# Allegro board GPS_INTERFACE_BOARDv34_test.brd (continued)
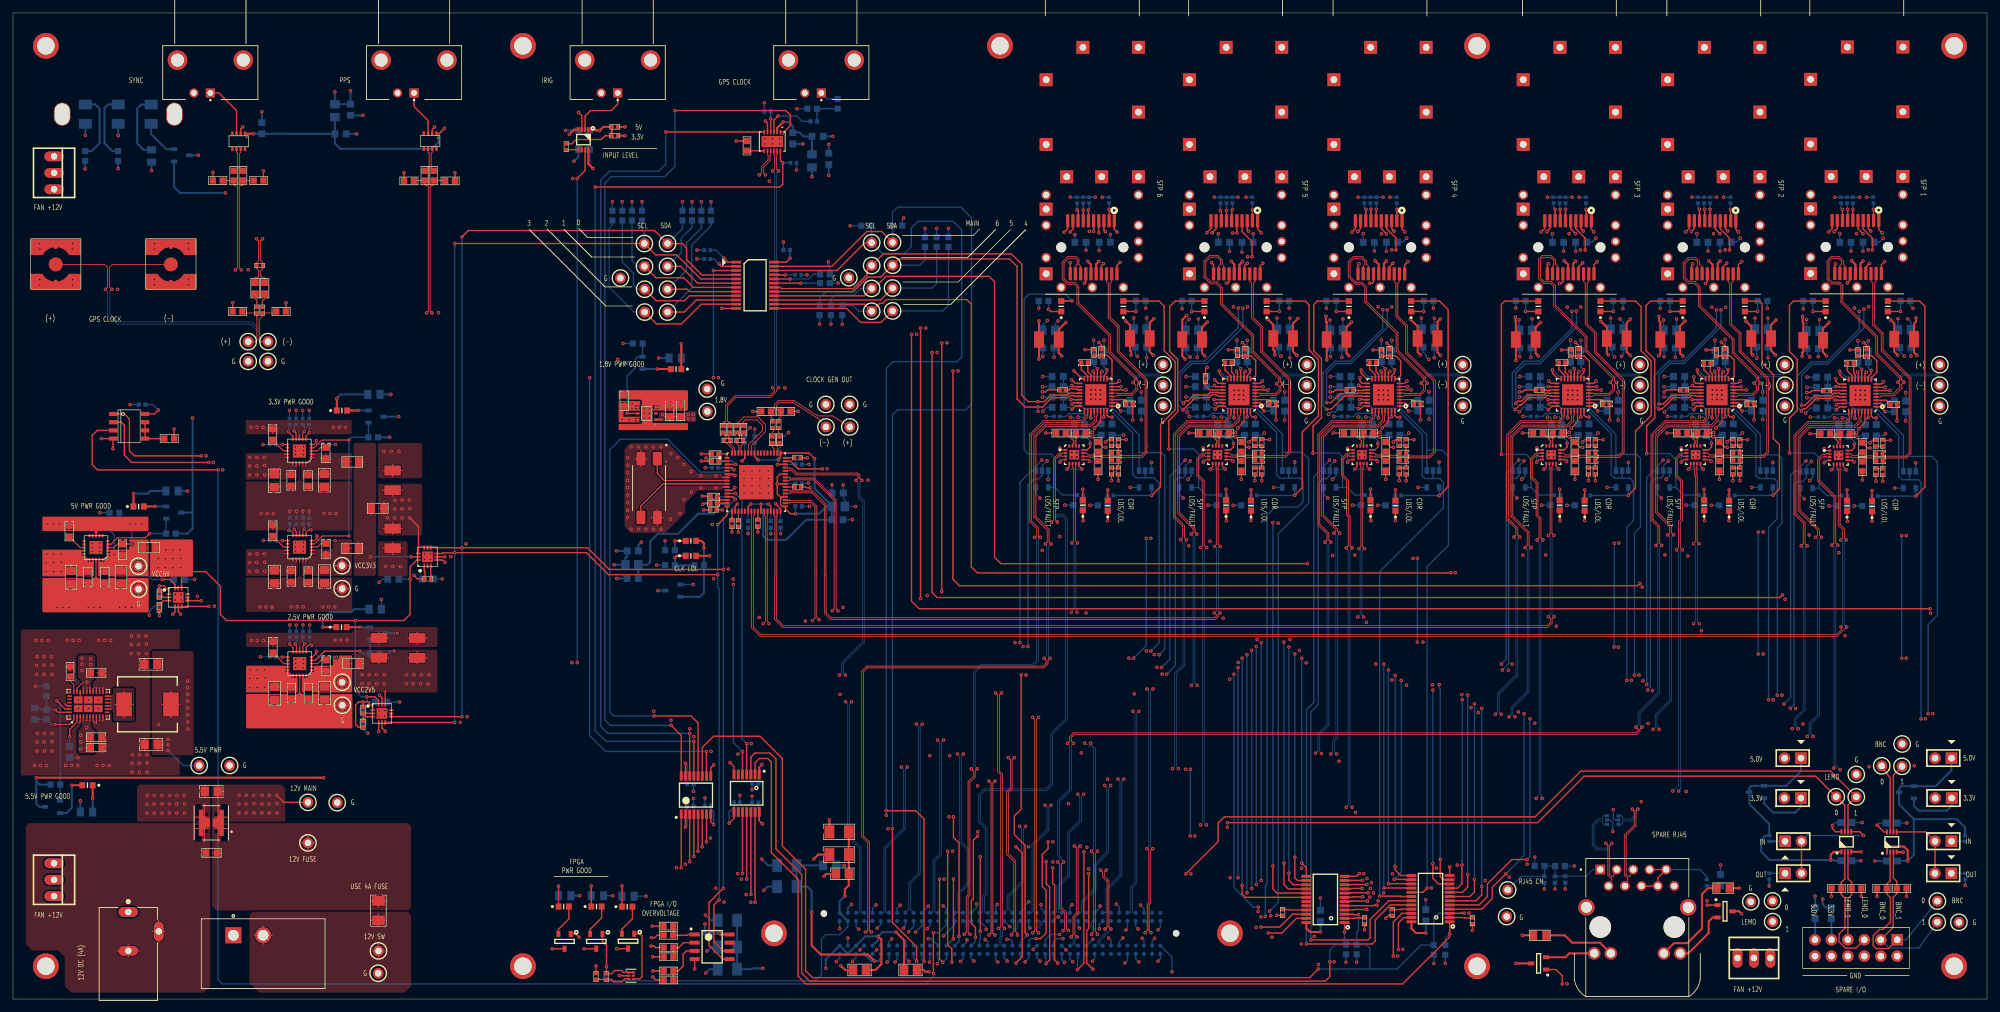
[diagram p0: board, top side]
## Routing (per net, layer and track width the routed paths; a pad name or vN(x,y) marks a point on that pad's centre or on a via; arc(x,y) is an arc through that point) (continued)
  GND1 w0.165: J13.S11 292.99,127.13 ; J13.S11 291.81,128.31 ; J13.S11 290.63,127.13 ; J13.S11 291.81,125.95 ; 254.58,114.58 J14.S8 ; J14.S8 256.39,114.58 ; J14.S8 255.49,113.67 ; J14.S8 255.49,115.49 ; J19.S15 209.62,148.26 ; J19.S15 208.45,147.08 ; J19.S15 210.8,147.08 ; J19.S15 209.62,145.9 ; J13.S18 277.56,133.31 ; J13.S18 277.56,130.95 ; J13.S18 276.38,132.13 ; J13.S18 278.74,132.13 ; 181.65,120.9 J20.S19 ; J20.S19 180.47,122.08 ; J20.S19 181.65,123.26 ; J20.S19 182.83,122.08 ; P1.8 283.31,7.57 ; P1.8 284.25,6.63 ; P1.8 283.31,5.69 ; P1.8 282.37,6.63 ; TP86.1 269.33,15.04 ; TP86.1 268.33,16.04 ; TP86.1 268.33,14.03 ; TP86.1 267.32,15.04 ; J5.S2 68.69,145.11 ; J5.S2 65.32,145.11 ; J5.S2 67.01,143.42 ; J5.S2 67.01,146.8 ; 181.65,113.67 J20.S8 ; J20.S8 182.56,114.58 ; J20.S8 181.65,115.49 ; J20.S8 180.74,114.58 ; 247.43,135.9 J18.S12 ; J18.S12 248.61,137.08 ; J18.S12 247.43,138.26 ; J18.S12 246.26,137.08 ; 187.32,145.9 J20.S15 ; J20.S15 188.5,147.08 ; J20.S15 187.32,148.26 ; J20.S15 186.14,147.08 ; 290.9,119.63 J13.S3 ; J13.S3 291.81,118.72 ; J13.S3 292.72,119.63 ; J13.S3 291.81,120.54 ; 195.9,113.67 J20.S2 ; J20.S2 194.99,114.58 ; J20.S2 195.9,115.49 ; J20.S2 196.81,114.58 ; TP75.1 57.39,3.99 ; TP75.1 56.39,2.98 ; TP75.1 56.39,4.99 ; TP75.1 55.38,3.99 ; 170.54,109.98 J21.S5 ; J21.S5 171.45,110.89 ; J21.S5 172.36,109.98 ; J21.S5 171.45,109.07 ; 233.18,123.37 J18.S10 ; J18.S10 233.18,125.19 ; J18.S10 234.09,124.28 ; J18.S10 232.28,124.28 ; 38.37,98.55 TP3.1 ; TP3.1 40.37,98.55 ; TP3.1 39.37,97.55 ; TP3.1 39.37,99.56 ; J18.S17 234.36,142.08 ; J18.S17 233.18,140.9 ; J18.S17 232.01,142.08 ; J18.S17 233.18,143.26 ; J13.S13 291.81,148.31 ; J13.S13 290.63,147.13 ; J13.S13 291.81,145.95 ; J13.S13 292.99,147.13 ; 247.43,125.9 J18.S11 ; J18.S11 248.61,127.08 ; J18.S11 247.43,128.26 ; J18.S11 246.26,127.08 ; 233.18,120.9 J18.S19 ; J18.S19 234.36,122.08 ; J18.S19 233.18,123.26 ; J18.S19 232.01,122.08 ; J18.S3 247.43,120.49 ; J18.S3 248.34,119.58 ; J18.S3 246.53,119.58 ; J18.S3 247.43,118.67 ; J17.P10 256.51,18.4 ; J17.P10 257.44,17.47 ; J17.P10 255.59,17.47 ; J17.P10 256.51,16.55 ; J19.S14 213.7,127.08 ; J19.S14 212.52,128.26 ; J19.S14 212.52,125.9 ; J19.S14 211.35,127.08 ; U20.1 81.14,5.08 ; U20.1 76.34,5.08 ; U20.1 78.74,2.68 ; U20.1 78.74,7.48 ; J14.S3 269.74,120.49 ; J14.S3 269.74,118.67 ; J14.S3 268.83,119.58 ; J14.S3 270.64,119.58 ; U54.1 187.91,12.56 ; U54.1 187.91,7.76 ; U54.1 185.51,10.16 ; U54.1 190.31,10.16 ; U16.1 7.48,5.08 ; U16.1 5.08,7.48 ; U16.1 5.08,2.68 ; U16.1 2.68,5.08 ; J20.S17 181.65,143.26 ; J20.S17 182.83,142.08 ; J20.S17 181.65,140.9 ; J20.S17 180.47,142.08 ; J14.S14 264.06,128.26 ; J14.S14 262.88,127.08 ; J14.S14 265.24,127.08 ; J14.S14 264.06,125.9 ; J19.S19 205.13,122.08 ; J19.S19 202.77,122.08 ; J19.S19 203.95,123.26 ; J19.S19 203.95,120.9 ; 239.4,109.98 J18.S6 ; J18.S6 240.31,110.89 ; J18.S6 241.22,109.98 ; J18.S6 240.31,109.07 ; J13.S15 283.23,148.31 ; J13.S15 283.23,145.95 ; J13.S15 284.41,147.13 ; J13.S15 282.05,147.13 ; 291.81,116.27 J13.S1 ; J13.S1 292.67,117.13 ; J13.S1 291.81,117.99 ; J13.S1 290.95,117.13 ; 192.67,109.98 J20.S5 ; J20.S5 193.57,110.89 ; J20.S5 193.57,109.07 ; J20.S5 194.48,109.98 ; 50.85,44.41 TP20.1 ; TP20.1 49.85,45.42 ; TP20.1 51.85,45.42 ; TP20.1 50.85,46.42 ; 229.63,12.75 TP28.1 ; TP28.1 230.63,13.75 ; TP28.1 230.63,11.75 ; TP28.1 231.64,12.75 ; 250.2,91.67 TP66.1 ; TP66.1 251.21,90.67 ; TP66.1 252.21,91.67 ; TP66.1 251.21,92.67 ; 195.9,125.9 J20.S11 ; J20.S11 197.08,127.08 ; J20.S11 195.9,128.26 ; J20.S11 194.72,127.08 ; 240.58,127.08 J18.S14 ; J18.S14 242.94,127.08 ; J18.S14 241.76,128.26 ; J18.S14 241.76,125.9 ; 218.2,123.37 J19.S4 ; J19.S4 218.2,125.19 ; J19.S4 219.11,124.28 ; J19.S4 217.29,124.28 ; 217.02,127.08 J19.S11 ; J19.S11 218.2,128.26 ; J19.S11 219.38,127.08 ; J19.S11 218.2,125.9 ; 255.49,140.9 J14.S17 ; J14.S17 255.49,143.26 ; J14.S17 256.66,142.08 ; J14.S17 254.31,142.08 ; 283.78,110.03 J13.S6 ; J13.S6 284.68,109.12 ; J13.S6 284.68,110.94 ; J13.S6 285.59,110.03 ; 300.46,10.86 TP81.1 ; TP81.1 300.46,12.87 ; TP81.1 299.45,11.86 ; TP81.1 301.46,11.86 ; J14.S5 267.41,110.89 ; J14.S5 266.5,109.98 ; J14.S5 267.41,109.07 ; J14.S5 268.32,109.98 ; 255.49,120.9 J14.S19 ; J14.S19 255.49,123.26 ; J14.S19 256.66,122.08 ; J14.S19 254.31,122.08 ; J18.S4 248.34,124.28 ; J18.S4 247.43,123.37 ; J18.S4 247.43,125.19 ; J18.S4 246.53,124.28 ; J21.S8 160.43,114.58 ; J21.S8 159.52,113.67 ; J21.S8 159.52,115.49 ; J21.S8 158.62,114.58 ; 299.72,2.68 U56.1 ; U56.1 297.32,5.08 ; U56.1 299.72,7.48 ; U56.1 302.12,5.08 ; J14.S2 270.64,114.58 ; J14.S2 268.83,114.58 ; J14.S2 269.74,115.49 ; J14.S2 269.74,113.67 ; J19.S5 216.78,109.98 ; J19.S5 215.87,109.07 ; J19.S5 215.87,110.89 ; J19.S5 214.97,109.98 ; 236.36,125.9 J18.S16 ; J18.S16 237.54,127.08 ; J18.S16 235.18,127.08 ; J18.S16 236.36,128.26 ; 181.65,123.37 J20.S10 ; J20.S10 182.56,124.28 ; J20.S10 180.74,124.28 ; J20.S10 181.65,125.19 ; 254.31,132.08 J14.S18 ; J14.S18 255.49,130.9 ; J14.S18 256.66,132.08 ; J14.S18 255.49,133.26 ; 181.65,110.9 J20.S20 ; J20.S20 181.65,113.26 ; J20.S20 182.83,112.08 ; J20.S20 180.47,112.08 ; 258.65,12.74 J17.S2 ; J17.S2 260.09,14.17 ; J17.S2 258.65,15.61 ; J17.S2 257.22,14.17 ; 226.06,2.68 U55.1 ; U55.1 228.46,5.08 ; U55.1 223.66,5.08 ; U55.1 226.06,7.48 ; U21.1 119.9,10.16 ; U21.1 117.5,12.56 ; U21.1 117.5,7.76 ; U21.1 115.1,10.16 ; 280.73,125.95 J13.S16 ; J13.S16 279.55,127.13 ; J13.S16 280.73,128.31 ; J13.S16 281.91,127.13 ; 202.77,112.08 J19.S20 ; J19.S20 203.95,110.9 ; J19.S20 205.13,112.08 ; J19.S20 203.95,113.26 ; 18.4,63.35 TP16.1 ; TP16.1 19.41,62.34 ; TP16.1 19.41,64.35 ; TP16.1 20.41,63.35 ; 35.56,143.42 J6.S2 ; J6.S2 33.87,145.11 ; J6.S2 37.25,145.11 ; J6.S2 35.56,146.8 ; J21.S6 167.56,109.98 ; J21.S6 166.65,109.07 ; J21.S6 166.65,110.89 ; J21.S6 165.74,109.98 ; J21.S13 174.95,147.08 ; J21.S13 173.77,148.26 ; J21.S13 172.6,147.08 ; J21.S13 173.77,145.9 ; J5.S1 58.53,145.11 ; J5.S1 56.85,146.8 ; J5.S1 55.16,145.11 ; J5.S1 56.85,143.42 ; J20.S7 184.88,109.98 ; J20.S7 183.97,109.07 ; J20.S7 183.97,110.89 ; J20.S7 183.07,109.98 ; J20.S9 182.56,119.58 ; J20.S9 181.65,120.49 ; J20.S9 181.65,118.67 ; J20.S9 180.74,119.58 ; 258.66,125.9 J14.S16 ; J14.S16 257.48,127.08 ; J14.S16 259.84,127.08 ; J14.S16 258.66,128.26 ; J21.S4 174.68,124.28 ; J21.S4 172.87,124.28 ; J21.S4 173.77,123.37 ; J21.S4 173.77,125.19 ; 181.65,130.9 J20.S18 ; J20.S18 182.83,132.08 ; J20.S18 180.47,132.08 ; J20.S18 181.65,133.26 ; U60.1 81.14,147.32 ; U60.1 78.74,149.72 ; U60.1 76.34,147.32 ; U60.1 78.74,144.92 ; J21.S19 160.7,122.08 ; J21.S19 159.52,123.26 ; J21.S19 159.52,120.9 ; J21.S19 158.35,122.08 ; 297.48,90.67 TP62.1 ; TP62.1 296.48,91.67 ; TP62.1 297.48,92.67 ; TP62.1 298.49,91.67 ; J5.2 59.39,140.91 ; J5.2 58.51,140.03 ; J5.2 60.26,140.03 ; J5.2 59.39,139.15 ; P1.2 290.93,7.57 ; P1.2 290.93,5.69 ; P1.2 289.99,6.63 ; P1.2 291.87,6.63 ; J18.S8 233.18,115.49 ; J18.S8 232.28,114.58 ; J18.S8 233.18,113.67 ; J18.S8 234.09,114.58 ; 172.92,117.08 J21.S1 ; J21.S1 174.63,117.08 ; J21.S1 173.77,117.94 ; J21.S1 173.77,116.22 ; TP72.1 177.57,92.67 ; TP72.1 176.57,91.67 ; TP72.1 177.57,90.67 ; TP72.1 178.57,91.67 ; 283.6,34.72 TP87.1 ; TP87.1 285.61,34.72 ; TP87.1 284.61,33.72 ; TP87.1 284.61,35.73 ; 233.18,110.9 J18.S20 ; J18.S20 233.18,113.26 ; J18.S20 232.01,112.08 ; J18.S20 234.36,112.08 ; J19.S17 205.13,142.08 ; J19.S17 202.77,142.08 ; J19.S17 203.95,140.9 ; J19.S17 203.95,143.26 ; 184.82,125.9 J20.S16 ; J20.S16 186,127.08 ; J20.S16 183.64,127.08 ; J20.S16 184.82,128.26 ; J18.S18 233.18,133.26 ; J18.S18 234.36,132.08 ; J18.S18 232.01,132.08 ; J18.S18 233.18,130.9 ; 276.38,112.13 J13.S20 ; J13.S20 277.56,110.95 ; J13.S20 277.56,113.31 ; J13.S20 278.74,112.13 ; 207.12,125.9 J19.S16 ; J19.S16 205.95,127.08 ; J19.S16 208.3,127.08 ; J19.S16 207.12,128.26 ; 285.85,5.69 P1.6 ; P1.6 284.91,6.63 ; P1.6 286.79,6.63 ; P1.6 285.85,7.57 ; 159.52,130.9 J21.S18 ; J21.S18 158.35,132.08 ; J21.S18 159.52,133.26 ; J21.S18 160.7,132.08 ; 194.99,124.28 J20.S4 ; J20.S4 196.81,124.28 ; J20.S4 195.9,123.37 ; J20.S4 195.9,125.19 ; 254.58,124.28 J14.S10 ; J14.S10 255.49,123.37 ; J14.S10 255.49,125.19 ; J14.S10 256.39,124.28 ; J14.S6 262.61,110.89 ; J14.S6 263.52,109.98 ; J14.S6 261.7,109.98 ; J14.S6 262.61,109.07 ; 269.74,123.37 J14.S4 ; J14.S4 269.74,125.19 ; J14.S4 270.64,124.28 ; J14.S4 268.83,124.28 ; J18.S5 246.02,109.98 ; J18.S5 245.11,109.07 ; J18.S5 245.11,110.89 ; J18.S5 244.2,109.98 ; J13.S17 278.74,142.13 ; J13.S17 277.56,140.95 ; J13.S17 277.56,143.31 ; J13.S17 276.38,142.13 ; 217.29,114.58 J19.S2 ; J19.S2 218.2,115.49 ; J19.S2 218.2,113.67 ; J19.S2 219.11,114.58 ; J13.S12 292.99,137.13 ; J13.S12 290.63,137.13 ; J13.S12 291.81,135.95 ; J13.S12 291.81,138.31 ; 6.35,20.05 J28.1 ; J28.1 6.35,21.91 ; J28.1 8.04,20.98 ; J28.1 4.66,20.98 ; 233.18,118.67 J18.S9 ; J18.S9 234.09,119.58 ; J18.S9 232.28,119.58 ; J18.S9 233.18,120.49 ; 203.04,119.58 J19.S9 ; J19.S9 203.95,120.49 ; J19.S9 204.86,119.58 ; J19.S9 203.95,118.67 ; 276.65,124.33 J13.S10 ; J13.S10 277.56,123.42 ; J13.S10 278.47,124.33 ; J13.S10 277.56,125.24 ; 35.32,98.55 TP4.1 ; TP4.1 36.32,97.55 ; TP4.1 37.33,98.55 ; TP4.1 36.32,99.56 ; 277.56,120.95 J13.S19 ; J13.S19 277.56,123.31 ; J13.S19 278.74,122.13 ; J13.S19 276.38,122.13 ; 173.77,113.67 J21.S2 ; J21.S2 174.68,114.58 ; J21.S2 172.87,114.58 ; J21.S2 173.77,115.49 ; J21.S15 165.2,148.26 ; J21.S15 165.2,145.9 ; J21.S15 166.38,147.08 ; J21.S15 164.02,147.08 ; J13.S4 292.72,124.33 ; J13.S4 290.9,124.33 ; J13.S4 291.81,125.24 ; J13.S4 291.81,123.42 ; J14.S1 269.74,117.94 ; J14.S1 269.74,116.22 ; J14.S1 270.59,117.08 ; J14.S1 268.88,117.08 ; J21.S17 160.7,142.08 ; J21.S17 159.52,143.26 ; J21.S17 158.35,142.08 ; J21.S17 159.52,140.9 ; TP68.1 224.85,91.67 ; TP68.1 223.85,90.67 ; TP68.1 223.85,92.67 ; TP68.1 222.85,91.67 ; J14.S20 255.49,113.26 ; J14.S20 255.49,110.9 ; J14.S20 254.31,112.08 ; J14.S20 256.66,112.08 ; TP18.1 51.83,63.42 ; TP18.1 50.83,62.42 ; TP18.1 49.82,63.42 ; TP18.1 50.83,64.43 ; 255.49,118.67 J14.S9 ; J14.S9 256.39,119.58 ; J14.S9 254.58,119.58 ; J14.S9 255.49,120.49 ; J1.2 123.15,140.03 ; J1.2 122.28,139.15 ; J1.2 122.28,140.91 ; J1.2 121.4,140.03 ; J19.S7 207.18,109.98 ; J19.S7 206.27,110.89 ; J19.S7 205.37,109.98 ; J19.S7 206.27,109.07 ; J21.S20 159.52,113.26 ; J21.S20 160.7,112.08 ; J21.S20 158.35,112.08 ; J21.S20 159.52,110.9 ; 238.86,145.9 J18.S15 ; J18.S15 237.68,147.08 ; J18.S15 240.04,147.08 ; J18.S15 238.86,148.26 ; TP12.1 33.45,37.1 ; TP12.1 33.45,35.09 ; TP12.1 34.46,36.09 ; TP12.1 32.45,36.09 ; 194.99,119.58 J20.S3 ; J20.S3 195.9,118.67 ; J20.S3 196.81,119.58 ; J20.S3 195.9,120.49 ; U61.1 7.48,147.32 ; U61.1 5.08,144.92 ; U61.1 2.68,147.32 ; U61.1 5.08,149.72 ; 172.6,137.08 J21.S12 ; J21.S12 173.77,135.9 ; J21.S12 174.95,137.08 ; J21.S12 173.77,138.26 ; 271.35,4.66 J29.3 ; J29.3 272.28,6.35 ; J29.3 271.35,8.04 ; J29.3 270.42,6.35 ; 190.22,125.9 J20.S14 ; J20.S14 190.22,128.26 ; J20.S14 191.4,127.08 ; J20.S14 189.04,127.08 ; J14.S15 262.34,147.08 ; J14.S15 259.98,147.08 ; J14.S15 261.16,145.9 ; J14.S15 261.16,148.26 ; 268.56,137.08 J14.S12 ; J14.S12 269.74,138.26 ; J14.S12 269.74,135.9 ; J14.S12 270.91,137.08 ; 279.88,109.12 J13.S7 ; J13.S7 280.79,110.03 ; J13.S7 278.98,110.03 ; J13.S7 279.88,110.94 ; J19.S6 211.98,109.98 ; J19.S6 210.17,109.98 ; J19.S6 211.07,109.07 ; J19.S6 211.07,110.89 ; 217.29,119.58 J19.S3 ; J19.S3 218.2,120.49 ; J19.S3 218.2,118.67 ; J19.S3 219.11,119.58 ; J18.S7 236.42,109.98 ; J18.S7 235.51,109.07 ; J18.S7 234.6,109.98 ; J18.S7 235.51,110.89 ; TP64.1 274.59,91.67 ; TP64.1 272.58,91.67 ; TP64.1 273.58,92.67 ; TP64.1 273.58,90.67 ; J1.S2 131.58,145.11 ; J1.S2 129.9,143.42 ; J1.S2 128.21,145.11 ; J1.S2 129.9,146.8 ; J6.S1 25.4,146.8 ; J6.S1 23.71,145.11 ; J6.S1 25.4,143.42 ; J6.S1 27.09,145.11 ; P1.12 279.17,6.63 ; P1.12 278.23,7.57 ; P1.12 278.23,5.69 ; P1.12 277.29,6.63 ; 195.9,116.22 J20.S1 ; J20.S1 196.76,117.08 ; J20.S1 195.9,117.94 ; J20.S1 195.04,117.08 ; 161.52,127.08 J21.S16 ; J21.S16 162.7,125.9 ; J21.S16 163.88,127.08 ; J21.S16 162.7,128.26 ; 218.2,116.22 J19.S1 ; J19.S1 218.2,117.94 ; J19.S1 219.06,117.08 ; J19.S1 217.34,117.08 ; 160.94,109.98 J21.S7 ; J21.S7 161.85,110.89 ; J21.S7 161.85,109.07 ; J21.S7 162.76,109.98 ; J14.S7 258.72,109.98 ; J14.S7 257.81,109.07 ; J14.S7 256.9,109.98 ; J14.S7 257.81,110.89 ; J21.S3 173.77,120.49 ; J21.S3 172.87,119.58 ; J21.S3 174.68,119.58 ; J21.S3 173.77,118.67 ; J17.S1 244.38,14.17 ; J17.S1 242.94,12.74 ; J17.S1 242.94,15.61 ; J17.S1 241.51,14.17 ; J20.S6 188.77,110.89 ; J20.S6 189.68,109.98 ; J20.S6 188.77,109.07 ; J20.S6 187.87,109.98 ; J28.3 8.04,15.9 ; J28.3 6.35,16.83 ; J28.3 6.35,14.97 ; J28.3 4.66,15.9 ; J4.S2 100.14,145.11 ; J4.S2 98.45,143.42 ; J4.S2 98.45,146.8 ; J4.S2 96.76,145.11 ; TP21.1 130.06,111.48 ; TP21.1 129.06,110.48 ; TP21.1 129.06,112.48 ; TP21.1 128.05,111.48 ; 287.45,6.63 P1.4 ; P1.4 288.39,5.69 ; P1.4 289.33,6.63 ; P1.4 288.39,7.57 ; J18.S1 247.43,117.94 ; J18.S1 247.43,116.22 ; J18.S1 248.29,117.08 ; J18.S1 246.58,117.08 ; 203.95,123.37 J19.S10 ; J19.S10 203.04,124.28 ; J19.S10 203.95,125.19 ; J19.S10 204.86,124.28 ; J4.S1 89.98,145.11 ; J4.S1 86.6,145.11 ; J4.S1 88.29,146.8 ; J4.S1 88.29,143.42 ; 27.94,139.15 J6.2 ; J6.2 27.06,140.03 ; J6.2 27.94,140.91 ; J6.2 28.82,140.03 ; J19.S13 219.38,147.08 ; J19.S13 218.2,145.9 ; J19.S13 218.2,148.26 ; J19.S13 217.02,147.08 ; 198.79,91.67 TP70.1 ; TP70.1 200.8,91.67 ; TP70.1 199.8,92.67 ; TP70.1 199.8,90.67 ; J21.S14 168.1,128.26 ; J21.S14 168.1,125.9 ; J21.S14 169.28,127.08 ; J21.S14 166.92,127.08 ; J21.S11 174.95,127.08 ; J21.S11 173.77,125.9 ; J21.S11 173.77,128.26 ; J21.S11 172.6,127.08 ; J19.S12 218.2,138.26 ; J19.S12 217.02,137.08 ; J19.S12 218.2,135.9 ; J19.S12 219.38,137.08 ; 158.62,119.58 J21.S9 ; J21.S9 159.52,120.49 ; J21.S9 160.43,119.58 ; J21.S9 159.52,118.67 ; 203.95,113.67 J19.S8 ; J19.S8 203.95,115.49 ; J19.S8 203.04,114.58 ; J19.S8 204.86,114.58 ; J18.S13 248.61,147.08 ; J18.S13 247.43,148.26 ; J18.S13 246.26,147.08 ; J18.S13 247.43,145.9 ; U57.1 302.12,147.32 ; U57.1 299.72,144.92 ; U57.1 299.72,149.72 ; U57.1 297.32,147.32 ; TP7.1 126.5,91.9 ; TP7.1 124.5,91.9 ; TP7.1 125.5,92.9 ; TP7.1 125.5,90.89 ; 266.27,4.66 J29.1 ; J29.1 265.34,6.35 ; J29.1 267.2,6.35 ; J29.1 266.27,8.04 ; P1.10 280.77,7.57 ; P1.10 279.83,6.63 ; P1.10 281.71,6.63 ; P1.10 280.77,5.69 ; J13.S9 278.47,119.63 ; J13.S9 277.56,120.54 ; J13.S9 276.65,119.63 ; J13.S9 277.56,118.72 ; J14.S13 270.91,147.08 ; J14.S13 268.56,147.08 ; J14.S13 269.74,148.26 ; J14.S13 269.74,145.9 ; J1.S1 119.74,146.8 ; J1.S1 118.05,145.11 ; J1.S1 121.42,145.11 ; J1.S1 119.74,143.42 ; 50.06,29.35 TP13.1 ; TP13.1 49.06,30.35 ; TP13.1 50.06,31.36 ; TP13.1 51.07,30.35 ; J4.2 91.71,140.03 ; J4.2 89.95,140.03 ; J4.2 90.83,140.91 ; J4.2 90.83,139.15 ; J20.S12 197.08,137.08 ; J20.S12 194.72,137.08 ; J20.S12 195.9,135.9 ; J20.S12 195.9,138.26 ; J13.S14 287.31,127.13 ; J13.S14 286.13,128.31 ; J13.S14 284.95,127.13 ; J13.S14 286.13,125.95 ; TP89.1 107.19,95.29 ; TP89.1 106.18,94.28 ; TP89.1 108.19,94.28 ; TP89.1 107.19,93.28 ; 223.66,147.32 U58.1 ; U58.1 226.06,144.92 ; U58.1 228.46,147.32 ; U58.1 226.06,149.72 ; 93.8,110.43 TP23.1 ; TP23.1 94.81,111.43 ; TP23.1 92.8,111.43 ; TP23.1 93.8,112.43 ; 277.56,113.72 J13.S8 ; J13.S8 276.65,114.63 ; J13.S8 277.56,115.54 ; J13.S8 278.47,114.63 ; 150,147.32 U59.1 ; U59.1 152.4,144.92 ; U59.1 154.8,147.32 ; U59.1 152.4,149.72 ; J27.1 8.04,130.23 ; J27.1 6.35,131.16 ; J27.1 4.66,130.23 ; J27.1 6.35,129.29 ; TP80.1 292.7,39.42 ; TP80.1 290.69,39.42 ; TP80.1 291.69,38.42 ; TP80.1 291.69,40.42 ; 268.56,127.08 J14.S11 ; J14.S11 269.74,125.9 ; J14.S11 270.91,127.08 ; J14.S11 269.74,128.26 ; 4.66,125.15 J27.3 ; J27.3 8.04,125.15 ; J27.3 6.35,124.21 ; J27.3 6.35,126.08 ; J21.S10 160.43,124.28 ; J21.S10 158.62,124.28 ; J21.S10 159.52,123.37 ; J21.S10 159.52,125.19 ; 128.18,91.9 TP6.1 ; TP6.1 129.18,92.9 ; TP6.1 129.18,90.89 ; TP6.1 130.19,91.9 ; J20.S13 197.08,147.08 ; J20.S13 194.72,147.08 ; J20.S13 195.9,148.26 ; J20.S13 195.9,145.9 ; J19.S18 203.95,133.26 ; J19.S18 205.13,132.08 ; J19.S18 202.77,132.08 ; J19.S18 203.95,130.9 ; 289.48,109.12 J13.S5 ; J13.S5 289.48,110.94 ; J13.S5 290.39,110.03 ; J13.S5 288.58,110.03 ; J13.S2 291.81,115.54 ; J13.S2 292.72,114.63 ; J13.S2 291.81,113.72 ; J13.S2 290.9,114.63 ; 247.43,113.67 J18.S2 ; J18.S2 248.34,114.58 ; J18.S2 247.43,115.49 ; J18.S2 246.53,114.58
  GND2 w0.165: 299.45,11.86 TP81.1 ; TP81.1 300.46,12.87 ; TP81.1 301.46,11.86 ; TP81.1 300.46,10.86 ; J19.S8 204.86,114.58 ; J19.S8 203.95,113.67 ; J19.S8 203.04,114.58 ; J19.S8 203.95,115.49 ; 125.5,90.89 TP7.1 ; TP7.1 124.5,91.9 ; TP7.1 125.5,92.9 ; TP7.1 126.5,91.9 ; 266.5,109.98 J14.S5 ; J14.S5 267.41,109.07 ; J14.S5 267.41,110.89 ; J14.S5 268.32,109.98 ; 180.47,142.08 J20.S17 ; J20.S17 181.65,140.9 ; J20.S17 181.65,143.26 ; J20.S17 182.83,142.08 ; J27.1 6.35,131.16 ; J27.1 6.35,129.29 ; J27.1 4.66,130.23 ; J27.1 8.04,130.23 ; 276.65,124.33 J13.S10 ; J13.S10 277.56,125.24 ; J13.S10 277.56,123.42 ; J13.S10 278.47,124.33 ; J18.S18 233.18,133.26 ; J18.S18 234.36,132.08 ; J18.S18 233.18,130.9 ; J18.S18 232.01,132.08 ; 194.72,147.08 J20.S13 ; J20.S13 197.08,147.08 ; J20.S13 195.9,145.9 ; J20.S13 195.9,148.26 ; 290.9,119.63 J13.S3 ; J13.S3 291.81,120.54 ; J13.S3 291.81,118.72 ; J13.S3 292.72,119.63 ; J19.S14 212.52,128.26 ; J19.S14 213.7,127.08 ; J19.S14 211.35,127.08 ; J19.S14 212.52,125.9 ; 50.06,29.35 TP13.1 ; TP13.1 49.06,30.35 ; TP13.1 51.07,30.35 ; TP13.1 50.06,31.36 ; 58.51,140.03 J5.2 ; J5.2 59.39,139.15 ; J5.2 59.39,140.91 ; J5.2 60.26,140.03 ; 291.81,125.95 J13.S11 ; J13.S11 290.63,127.13 ; J13.S11 292.99,127.13 ; J13.S11 291.81,128.31 ; 246.58,117.08 J18.S1 ; J18.S1 247.43,117.94 ; J18.S1 248.29,117.08 ; J18.S1 247.43,116.22 ; 78.74,144.92 U60.1 ; U60.1 78.74,149.72 ; U60.1 76.34,147.32 ; U60.1 81.14,147.32 ; TP75.1 56.39,4.99 ; TP75.1 56.39,2.98 ; TP75.1 55.38,3.99 ; TP75.1 57.39,3.99 ; TP72.1 178.57,91.67 ; TP72.1 177.57,92.67 ; TP72.1 176.57,91.67 ; TP72.1 177.57,90.67 ; J21.S10 160.43,124.28 ; J21.S10 159.52,125.19 ; J21.S10 159.52,123.37 ; J21.S10 158.62,124.28 ; J18.S4 248.34,124.28 ; J18.S4 247.43,123.37 ; J18.S4 246.53,124.28 ; J18.S4 247.43,125.19 ; J20.S3 196.81,119.58 ; J20.S3 195.9,118.67 ; J20.S3 195.9,120.49 ; J20.S3 194.99,119.58 ; U16.1 5.08,7.48 ; U16.1 5.08,2.68 ; U16.1 2.68,5.08 ; U16.1 7.48,5.08 ; J20.S15 187.32,148.26 ; J20.S15 187.32,145.9 ; J20.S15 188.5,147.08 ; J20.S15 186.14,147.08 ; 218.2,125.9 J19.S11 ; J19.S11 218.2,128.26 ; J19.S11 217.02,127.08 ; J19.S11 219.38,127.08 ; J14.S14 264.06,128.26 ; J14.S14 262.88,127.08 ; J14.S14 265.24,127.08 ; J14.S14 264.06,125.9 ; TP20.1 50.85,46.42 ; TP20.1 51.85,45.42 ; TP20.1 50.85,44.41 ; TP20.1 49.85,45.42 ; 269.74,125.9 J14.S11 ; J14.S11 270.91,127.08 ; J14.S11 269.74,128.26 ; J14.S11 268.56,127.08 ; 276.38,122.13 J13.S19 ; J13.S19 277.56,123.31 ; J13.S19 278.74,122.13 ; J13.S19 277.56,120.95 ; U57.1 299.72,149.72 ; U57.1 299.72,144.92 ; U57.1 297.32,147.32 ; U57.1 302.12,147.32 ; J14.S3 270.64,119.58 ; J14.S3 269.74,118.67 ; J14.S3 268.83,119.58 ; J14.S3 269.74,120.49 ; 233.18,120.9 J18.S19 ; J18.S19 232.01,122.08 ; J18.S19 234.36,122.08 ; J18.S19 233.18,123.26 ; J14.S6 263.52,109.98 ; J14.S6 261.7,109.98 ; J14.S6 262.61,109.07 ; J14.S6 262.61,110.89 ; 269.74,123.37 J14.S4 ; J14.S4 268.83,124.28 ; J14.S4 270.64,124.28 ; J14.S4 269.74,125.19 ; J20.S6 188.77,110.89 ; J20.S6 188.77,109.07 ; J20.S6 187.87,109.98 ; J20.S6 189.68,109.98 ; 117.5,7.76 U21.1 ; U21.1 115.1,10.16 ; U21.1 119.9,10.16 ; U21.1 117.5,12.56 ; J18.S10 234.09,124.28 ; J18.S10 233.18,125.19 ; J18.S10 233.18,123.37 ; J18.S10 232.28,124.28 ; J21.S14 168.1,128.26 ; J21.S14 169.28,127.08 ; J21.S14 168.1,125.9 ; J21.S14 166.92,127.08 ; J21.S20 159.52,113.26 ; J21.S20 159.52,110.9 ; J21.S20 160.7,112.08 ; J21.S20 158.35,112.08 ; J20.S7 183.97,110.89 ; J20.S7 183.97,109.07 ; J20.S7 184.88,109.98 ; J20.S7 183.07,109.98 ; 291.81,145.95 J13.S13 ; J13.S13 292.99,147.13 ; J13.S13 290.63,147.13 ; J13.S13 291.81,148.31 ; 276.65,119.63 J13.S9 ; J13.S9 278.47,119.63 ; J13.S9 277.56,118.72 ; J13.S9 277.56,120.54 ; J27.3 8.04,125.15 ; J27.3 6.35,126.08 ; J27.3 4.66,125.15 ; J27.3 6.35,124.21 ; 217.29,119.58 J19.S3 ; J19.S3 218.2,118.67 ; J19.S3 218.2,120.49 ; J19.S3 219.11,119.58 ; 49.82,63.42 TP18.1 ; TP18.1 50.83,62.42 ; TP18.1 51.83,63.42 ; TP18.1 50.83,64.43 ; 203.04,124.28 J19.S10 ; J19.S10 204.86,124.28 ; J19.S10 203.95,125.19 ; J19.S10 203.95,123.37 ; J18.S16 237.54,127.08 ; J18.S16 236.36,125.9 ; J18.S16 236.36,128.26 ; J18.S16 235.18,127.08 ; 233.18,140.9 J18.S17 ; J18.S17 232.01,142.08 ; J18.S17 233.18,143.26 ; J18.S17 234.36,142.08 ; 89.95,140.03 J4.2 ; J4.2 91.71,140.03 ; J4.2 90.83,139.15 ; J4.2 90.83,140.91 ; 35.32,98.55 TP4.1 ; TP4.1 37.33,98.55 ; TP4.1 36.32,99.56 ; TP4.1 36.32,97.55 ; J20.S18 182.83,132.08 ; J20.S18 180.47,132.08 ; J20.S18 181.65,130.9 ; J20.S18 181.65,133.26 ; TP64.1 273.58,92.67 ; TP64.1 273.58,90.67 ; TP64.1 274.59,91.67 ; TP64.1 272.58,91.67 ; 181.65,120.9 J20.S19 ; J20.S19 180.47,122.08 ; J20.S19 181.65,123.26 ; J20.S19 182.83,122.08 ; J17.P10 256.51,18.4 ; J17.P10 257.44,17.47 ; J17.P10 255.59,17.47 ; J17.P10 256.51,16.55 ; U59.1 154.8,147.32 ; U59.1 152.4,144.92 ; U59.1 152.4,149.72 ; U59.1 150,147.32 ; J1.S1 121.42,145.11 ; J1.S1 119.74,146.8 ; J1.S1 119.74,143.42 ; J1.S1 118.05,145.11 ; 254.31,122.08 J14.S19 ; J14.S19 255.49,120.9 ; J14.S19 256.66,122.08 ; J14.S19 255.49,123.26 ; J21.S16 162.7,128.26 ; J21.S16 162.7,125.9 ; J21.S16 161.52,127.08 ; J21.S16 163.88,127.08 ; J21.S11 173.77,128.26 ; J21.S11 172.6,127.08 ; J21.S11 173.77,125.9 ; J21.S11 174.95,127.08 ; J14.S20 255.49,113.26 ; J14.S20 256.66,112.08 ; J14.S20 255.49,110.9 ; J14.S20 254.31,112.08 ; 18.4,63.35 TP16.1 ; TP16.1 19.41,64.35 ; TP16.1 19.41,62.34 ; TP16.1 20.41,63.35 ; U54.1 190.31,10.16 ; U54.1 187.91,7.76 ; U54.1 185.51,10.16 ; U54.1 187.91,12.56 ; J14.S12 270.91,137.08 ; J14.S12 268.56,137.08 ; J14.S12 269.74,138.26 ; J14.S12 269.74,135.9 ; J19.S16 207.12,128.26 ; J19.S16 207.12,125.9 ; J19.S16 205.95,127.08 ; J19.S16 208.3,127.08 ; 4.66,15.9 J28.3 ; J28.3 6.35,14.97 ; J28.3 6.35,16.83 ; J28.3 8.04,15.9 ; J21.S15 165.2,148.26 ; J21.S15 164.02,147.08 ; J21.S15 166.38,147.08 ; J21.S15 165.2,145.9 ; 192.67,109.98 J20.S5 ; J20.S5 193.57,109.07 ; J20.S5 194.48,109.98 ; J20.S5 193.57,110.89 ; J14.S10 256.39,124.28 ; J14.S10 254.58,124.28 ; J14.S10 255.49,123.37 ; J14.S10 255.49,125.19 ; J18.S11 247.43,128.26 ; J18.S11 247.43,125.9 ; J18.S11 246.26,127.08 ; J18.S11 248.61,127.08 ; 223.85,90.67 TP68.1 ; TP68.1 224.85,91.67 ; TP68.1 223.85,92.67 ; TP68.1 222.85,91.67 ; TP87.1 285.61,34.72 ; TP87.1 283.6,34.72 ; TP87.1 284.61,35.73 ; TP87.1 284.61,33.72 ; J21.S7 161.85,110.89 ; J21.S7 162.76,109.98 ; J21.S7 161.85,109.07 ; J21.S7 160.94,109.98 ; J6.2 28.82,140.03 ; J6.2 27.06,140.03 ; J6.2 27.94,140.91 ; J6.2 27.94,139.15 ; 254.31,132.08 J14.S18 ; J14.S18 255.49,130.9 ; J14.S18 256.66,132.08 ; J14.S18 255.49,133.26 ; U20.1 81.14,5.08 ; U20.1 76.34,5.08 ; U20.1 78.74,2.68 ; U20.1 78.74,7.48 ; J20.S20 181.65,113.26 ; J20.S20 181.65,110.9 ; J20.S20 180.47,112.08 ; J20.S20 182.83,112.08 ; 159.52,113.67 J21.S8 ; J21.S8 158.62,114.58 ; J21.S8 160.43,114.58 ; J21.S8 159.52,115.49 ; J18.S8 234.09,114.58 ; J18.S8 232.28,114.58 ; J18.S8 233.18,115.49 ; J18.S8 233.18,113.67 ; J18.S14 241.76,128.26 ; J18.S14 241.76,125.9 ; J18.S14 242.94,127.08 ; J18.S14 240.58,127.08 ; P1.6 286.79,6.63 ; P1.6 284.91,6.63 ; P1.6 285.85,7.57 ; P1.6 285.85,5.69 ; J19.S6 211.98,109.98 ; J19.S6 211.07,110.89 ; J19.S6 211.07,109.07 ; J19.S6 210.17,109.98 ; J13.S18 278.74,132.13 ; J13.S18 276.38,132.13 ; J13.S18 277.56,130.95 ; J13.S18 277.56,133.31 ; TP3.1 40.37,98.55 ; TP3.1 38.37,98.55 ; TP3.1 39.37,99.56 ; TP3.1 39.37,97.55 ; J14.S1 269.74,117.94 ; J14.S1 270.59,117.08 ; J14.S1 268.88,117.08 ; J14.S1 269.74,116.22 ; J13.S14 286.13,128.31 ; J13.S14 286.13,125.95 ; J13.S14 284.95,127.13 ; J13.S14 287.31,127.13 ; 290.93,5.69 P1.2 ; P1.2 291.87,6.63 ; P1.2 289.99,6.63 ; P1.2 290.93,7.57 ; 217.02,137.08 J19.S12 ; J19.S12 218.2,138.26 ; J19.S12 218.2,135.9 ; J19.S12 219.38,137.08 ; 65.32,145.11 J5.S2 ; J5.S2 67.01,146.8 ; J5.S2 68.69,145.11 ; J5.S2 67.01,143.42 ; TP62.1 297.48,92.67 ; TP62.1 297.48,90.67 ; TP62.1 296.48,91.67 ; TP62.1 298.49,91.67 ; J13.S20 278.74,112.13 ; J13.S20 276.38,112.13 ; J13.S20 277.56,113.31 ; J13.S20 277.56,110.95 ; 282.37,6.63 P1.8 ; P1.8 283.31,7.57 ; P1.8 283.31,5.69 ; P1.8 284.25,6.63 ; 229.63,12.75 TP28.1 ; TP28.1 231.64,12.75 ; TP28.1 230.63,13.75 ; TP28.1 230.63,11.75 ; J19.S17 203.95,143.26 ; J19.S17 205.13,142.08 ; J19.S17 202.77,142.08 ; J19.S17 203.95,140.9 ; 128.21,145.11 J1.S2 ; J1.S2 129.9,146.8 ; J1.S2 131.58,145.11 ; J1.S2 129.9,143.42 ; 287.45,6.63 P1.4 ; P1.4 289.33,6.63 ; P1.4 288.39,5.69 ; P1.4 288.39,7.57 ; J19.S18 205.13,132.08 ; J19.S18 202.77,132.08 ; J19.S18 203.95,133.26 ; J19.S18 203.95,130.9 ; J21.S6 166.65,110.89 ; J21.S6 166.65,109.07 ; J21.S6 167.56,109.98 ; J21.S6 165.74,109.98 ; 246.53,114.58 J18.S2 ; J18.S2 247.43,113.67 ; J18.S2 248.34,114.58 ; J18.S2 247.43,115.49 ; J21.S4 173.77,125.19 ; J21.S4 172.87,124.28 ; J21.S4 173.77,123.37 ; J21.S4 174.68,124.28 ; J13.S6 285.59,110.03 ; J13.S6 284.68,109.12 ; J13.S6 284.68,110.94 ; J13.S6 283.78,110.03 ; J20.S4 195.9,125.19 ; J20.S4 194.99,124.28 ; J20.S4 196.81,124.28 ; J20.S4 195.9,123.37 ; U58.1 228.46,147.32 ; U58.1 226.06,149.72 ; U58.1 226.06,144.92 ; U58.1 223.66,147.32 ; 189.04,127.08 J20.S14 ; J20.S14 190.22,125.9 ; J20.S14 191.4,127.08 ; J20.S14 190.22,128.26 ; 217.34,117.08 J19.S1 ; J19.S1 218.2,116.22 ; J19.S1 218.2,117.94 ; J19.S1 219.06,117.08 ; 233.18,118.67 J18.S9 ; J18.S9 232.28,119.58 ; J18.S9 233.18,120.49 ; J18.S9 234.09,119.58 ; J19.S7 206.27,110.89 ; J19.S7 206.27,109.07 ; J19.S7 207.18,109.98 ; J19.S7 205.37,109.98 ; P1.12 279.17,6.63 ; P1.12 278.23,5.69 ; P1.12 278.23,7.57 ; P1.12 277.29,6.63 ; 203.95,120.9 J19.S19 ; J19.S19 202.77,122.08 ; J19.S19 205.13,122.08 ; J19.S19 203.95,123.26 ; J4.S2 98.45,146.8 ; J4.S2 96.76,145.11 ; J4.S2 100.14,145.11 ; J4.S2 98.45,143.42 ; J14.S16 258.66,128.26 ; J14.S16 258.66,125.9 ; J14.S16 257.48,127.08 ; J14.S16 259.84,127.08 ; J13.S17 277.56,143.31 ; J13.S17 278.74,142.13 ; J13.S17 277.56,140.95 ; J13.S17 276.38,142.13 ; J13.S2 292.72,114.63 ; J13.S2 290.9,114.63 ; J13.S2 291.81,115.54 ; J13.S2 291.81,113.72 ; 128.05,111.48 TP21.1 ; TP21.1 129.06,112.48 ; TP21.1 129.06,110.48 ; TP21.1 130.06,111.48 ; 158.35,142.08 J21.S17 ; J21.S17 160.7,142.08 ; J21.S17 159.52,140.9 ; J21.S17 159.52,143.26 ; 259.98,147.08 J14.S15 ; J14.S15 261.16,145.9 ; J14.S15 261.16,148.26 ; J14.S15 262.34,147.08 ; J19.S13 218.2,148.26 ; J19.S13 219.38,147.08 ; J19.S13 218.2,145.9 ; J19.S13 217.02,147.08 ; 250.2,91.67 TP66.1 ; TP66.1 252.21,91.67 ; TP66.1 251.21,92.67 ; TP66.1 251.21,90.67 ; J21.S19 160.7,122.08 ; J21.S19 159.52,120.9 ; J21.S19 159.52,123.26 ; J21.S19 158.35,122.08 ; J17.S1 242.94,15.61 ; J17.S1 242.94,12.74 ; J17.S1 241.51,14.17 ; J17.S1 244.38,14.17 ; 289.48,109.12 J13.S5 ; J13.S5 288.58,110.03 ; J13.S5 290.39,110.03 ; J13.S5 289.48,110.94 ; TP6.1 129.18,92.9 ; TP6.1 129.18,90.89 ; TP6.1 130.19,91.9 ; TP6.1 128.18,91.9 ; 203.95,110.9 J19.S20 ; J19.S20 203.95,113.26 ; J19.S20 202.77,112.08 ; J19.S20 205.13,112.08 ; 244.2,109.98 J18.S5 ; J18.S5 245.11,109.07 ; J18.S5 245.11,110.89 ; J18.S5 246.02,109.98 ; 237.68,147.08 J18.S15 ; J18.S15 240.04,147.08 ; J18.S15 238.86,148.26 ; J18.S15 238.86,145.9 ; J20.S16 186,127.08 ; J20.S16 184.82,128.26 ; J20.S16 183.64,127.08 ; J20.S16 184.82,125.9 ; J19.S4 219.11,124.28 ; J19.S4 218.2,125.19 ; J19.S4 217.29,124.28 ; J19.S4 218.2,123.37 ; 217.29,114.58 J19.S2 ; J19.S2 218.2,115.49 ; J19.S2 218.2,113.67 ; J19.S2 219.11,114.58 ; 181.65,118.67 J20.S9 ; J20.S9 182.56,119.58 ; J20.S9 180.74,119.58 ; J20.S9 181.65,120.49 ; TP89.1 108.19,94.28 ; TP89.1 107.19,95.29 ; TP89.1 106.18,94.28 ; TP89.1 107.19,93.28 ; J13.S12 292.99,137.13 ; J13.S12 291.81,135.95 ; J13.S12 291.81,138.31 ; J13.S12 290.63,137.13 ; J20.S12 195.9,138.26 ; J20.S12 194.72,137.08 ; J20.S12 195.9,135.9 ; J20.S12 197.08,137.08 ; 172.6,147.08 J21.S13 ; J21.S13 173.77,145.9 ; J21.S13 173.77,148.26 ; J21.S13 174.95,147.08 ; 32.45,36.09 TP12.1 ; TP12.1 33.45,37.1 ; TP12.1 34.46,36.09 ; TP12.1 33.45,35.09 ; 247.43,118.67 J18.S3 ; J18.S3 248.34,119.58 ; J18.S3 247.43,120.49 ; J18.S3 246.53,119.58 ; J13.S16 281.91,127.13 ; J13.S16 279.55,127.13 ; J13.S16 280.73,128.31 ; J13.S16 280.73,125.95 ; P1.10 280.77,7.57 ; P1.10 280.77,5.69 ; P1.10 279.83,6.63 ; P1.10 281.71,6.63 ; 122.28,139.15 J1.2 ; J1.2 123.15,140.03 ; J1.2 122.28,140.91 ; J1.2 121.4,140.03 ; J14.S13 269.74,148.26 ; J14.S13 268.56,147.08 ; J14.S13 269.74,145.9 ; J14.S13 270.91,147.08 ; 255.49,140.9 J14.S17 ; J14.S17 255.49,143.26 ; J14.S17 254.31,142.08 ; J14.S17 256.66,142.08 ; 234.6,109.98 J18.S7 ; J18.S7 235.51,110.89 ; J18.S7 235.51,109.07 ; J18.S7 236.42,109.98 ; 256.9,109.98 J14.S7 ; J14.S7 258.72,109.98 ; J14.S7 257.81,109.07 ; J14.S7 257.81,110.89 ; 254.58,114.58 J14.S8 ; J14.S8 256.39,114.58 ; J14.S8 255.49,113.67 ; J14.S8 255.49,115.49 ; J20.S8 182.56,114.58 ; J20.S8 180.74,114.58 ; J20.S8 181.65,115.49 ; J20.S8 181.65,113.67 ; 246.26,137.08 J18.S12 ; J18.S12 248.61,137.08 ; J18.S12 247.43,138.26 ; J18.S12 247.43,135.9 ; J21.S3 173.77,120.49 ; J21.S3 173.77,118.67 ; J21.S3 174.68,119.58 ; J21.S3 172.87,119.58 ; J29.3 271.35,8.04 ; J29.3 272.28,6.35 ; J29.3 270.42,6.35 ; J29.3 271.35,4.66 ; 215.87,109.07 J19.S5 ; J19.S5 216.78,109.98 ; J19.S5 215.87,110.89 ; J19.S5 214.97,109.98 ; 172.87,114.58 J21.S2 ; J21.S2 173.77,113.67 ; J21.S2 173.77,115.49 ; J21.S2 174.68,114.58 ; 56.85,143.42 J5.S1 ; J5.S1 58.53,145.11 ; J5.S1 55.16,145.11 ; J5.S1 56.85,146.8 ; J21.S12 173.77,138.26 ; J21.S12 174.95,137.08 ; J21.S12 173.77,135.9 ; J21.S12 172.6,137.08 ; TP80.1 292.7,39.42 ; TP80.1 290.69,39.42 ; TP80.1 291.69,40.42 ; TP80.1 291.69,38.42 ; 203.95,118.67 J19.S9 ; J19.S9 203.95,120.49 ; J19.S9 203.04,119.58 ; J19.S9 204.86,119.58 ; J19.S15 210.8,147.08 ; J19.S15 209.62,148.26 ; J19.S15 208.45,147.08 ; J19.S15 209.62,145.9 ; J21.S9 160.43,119.58 ; J21.S9 159.52,118.67 ; J21.S9 159.52,120.49 ; J21.S9 158.62,119.58 ; J18.S20 234.36,112.08 ; J18.S20 233.18,110.9 ; J18.S20 233.18,113.26 ; J18.S20 232.01,112.08 ; 279.88,109.12 J13.S7 ; J13.S7 279.88,110.94 ; J13.S7 278.98,110.03 ; J13.S7 280.79,110.03 ; J18.S13 248.61,147.08 ; J18.S13 246.26,147.08 ; J18.S13 247.43,148.26 ; J18.S13 247.43,145.9 ; 226.06,2.68 U55.1 ; U55.1 228.46,5.08 ; U55.1 226.06,7.48 ; U55.1 223.66,5.08 ; 92.8,111.43 TP23.1 ; TP23.1 93.8,112.43 ; TP23.1 93.8,110.43 ; TP23.1 94.81,111.43 ; J21.S1 174.63,117.08 ; J21.S1 172.92,117.08 ; J21.S1 173.77,116.22 ; J21.S1 173.77,117.94 ; 194.72,127.08 J20.S11 ; J20.S11 195.9,128.26 ; J20.S11 197.08,127.08 ; J20.S11 195.9,125.9 ; 159.52,130.9 J21.S18 ; J21.S18 159.52,133.26 ; J21.S18 158.35,132.08 ; J21.S18 160.7,132.08 ; J13.S1 292.67,117.13 ; J13.S1 290.95,117.13 ; J13.S1 291.81,117.99 ; J13.S1 291.81,116.27 ; 5.08,144.92 U61.1 ; U61.1 2.68,147.32 ; U61.1 5.08,149.72 ; U61.1 7.48,147.32 ; 268.83,114.58 J14.S2 ; J14.S2 270.64,114.58 ; J14.S2 269.74,115.49 ; J14.S2 269.74,113.67 ; 86.6,145.11 J4.S1 ; J4.S1 88.29,146.8 ; J4.S1 88.29,143.42 ; J4.S1 89.98,145.11 ; 181.65,123.37 J20.S10 ; J20.S10 180.74,124.28 ; J20.S10 182.56,124.28 ; J20.S10 181.65,125.19 ; 266.27,4.66 J29.1 ; J29.1 267.2,6.35 ; J29.1 266.27,8.04 ; J29.1 265.34,6.35 ; J6.S1 25.4,146.8 ; J6.S1 23.71,145.11 ; J6.S1 27.09,145.11 ; J6.S1 25.4,143.42 ; TP86.1 268.33,16.04 ; TP86.1 269.33,15.04 ; TP86.1 267.32,15.04 ; TP86.1 268.33,14.03 ; TP70.1 199.8,92.67 ; TP70.1 199.8,90.67 ; TP70.1 200.8,91.67 ; TP70.1 198.79,91.67 ; J13.S4 291.81,125.24 ; J13.S4 292.72,124.33 ; J13.S4 291.81,123.42 ; J13.S4 290.9,124.33 ; 6.35,20.05 J28.1 ; J28.1 6.35,21.91 ; J28.1 8.04,20.98 ; J28.1 4.66,20.98 ; J21.S5 172.36,109.98 ; J21.S5 171.45,110.89 ; J21.S5 170.54,109.98 ; J21.S5 171.45,109.07 ; U56.1 302.12,5.08 ; U56.1 299.72,7.48 ; U56.1 299.72,2.68 ; U56.1 297.32,5.08 ; 195.9,113.67 J20.S2 ; J20.S2 194.99,114.58 ; J20.S2 195.9,115.49 ; J20.S2 196.81,114.58 ; 282.05,147.13 J13.S15 ; J13.S15 283.23,148.31 ; J13.S15 284.41,147.13 ; J13.S15 283.23,145.95 ; 254.58,119.58 J14.S9 ; J14.S9 256.39,119.58 ; J14.S9 255.49,120.49 ; J14.S9 255.49,118.67 ; J18.S6 240.31,110.89 ; J18.S6 240.31,109.07 ; J18.S6 239.4,109.98 ; J18.S6 241.22,109.98 ; J20.S1 196.76,117.08 ; J20.S1 195.9,116.22 ; J20.S1 195.04,117.08 ; J20.S1 195.9,117.94 ; 35.56,143.42 J6.S2 ; J6.S2 33.87,145.11 ; J6.S2 37.25,145.11 ; J6.S2 35.56,146.8 ; 277.56,113.72 J13.S8 ; J13.S8 278.47,114.63 ; J13.S8 276.65,114.63 ; J13.S8 277.56,115.54 ; J17.S2 258.65,15.61 ; J17.S2 260.09,14.17 ; J17.S2 257.22,14.17 ; J17.S2 258.65,12.74